# Allegro board HL_VPN_bf.brd (continued)
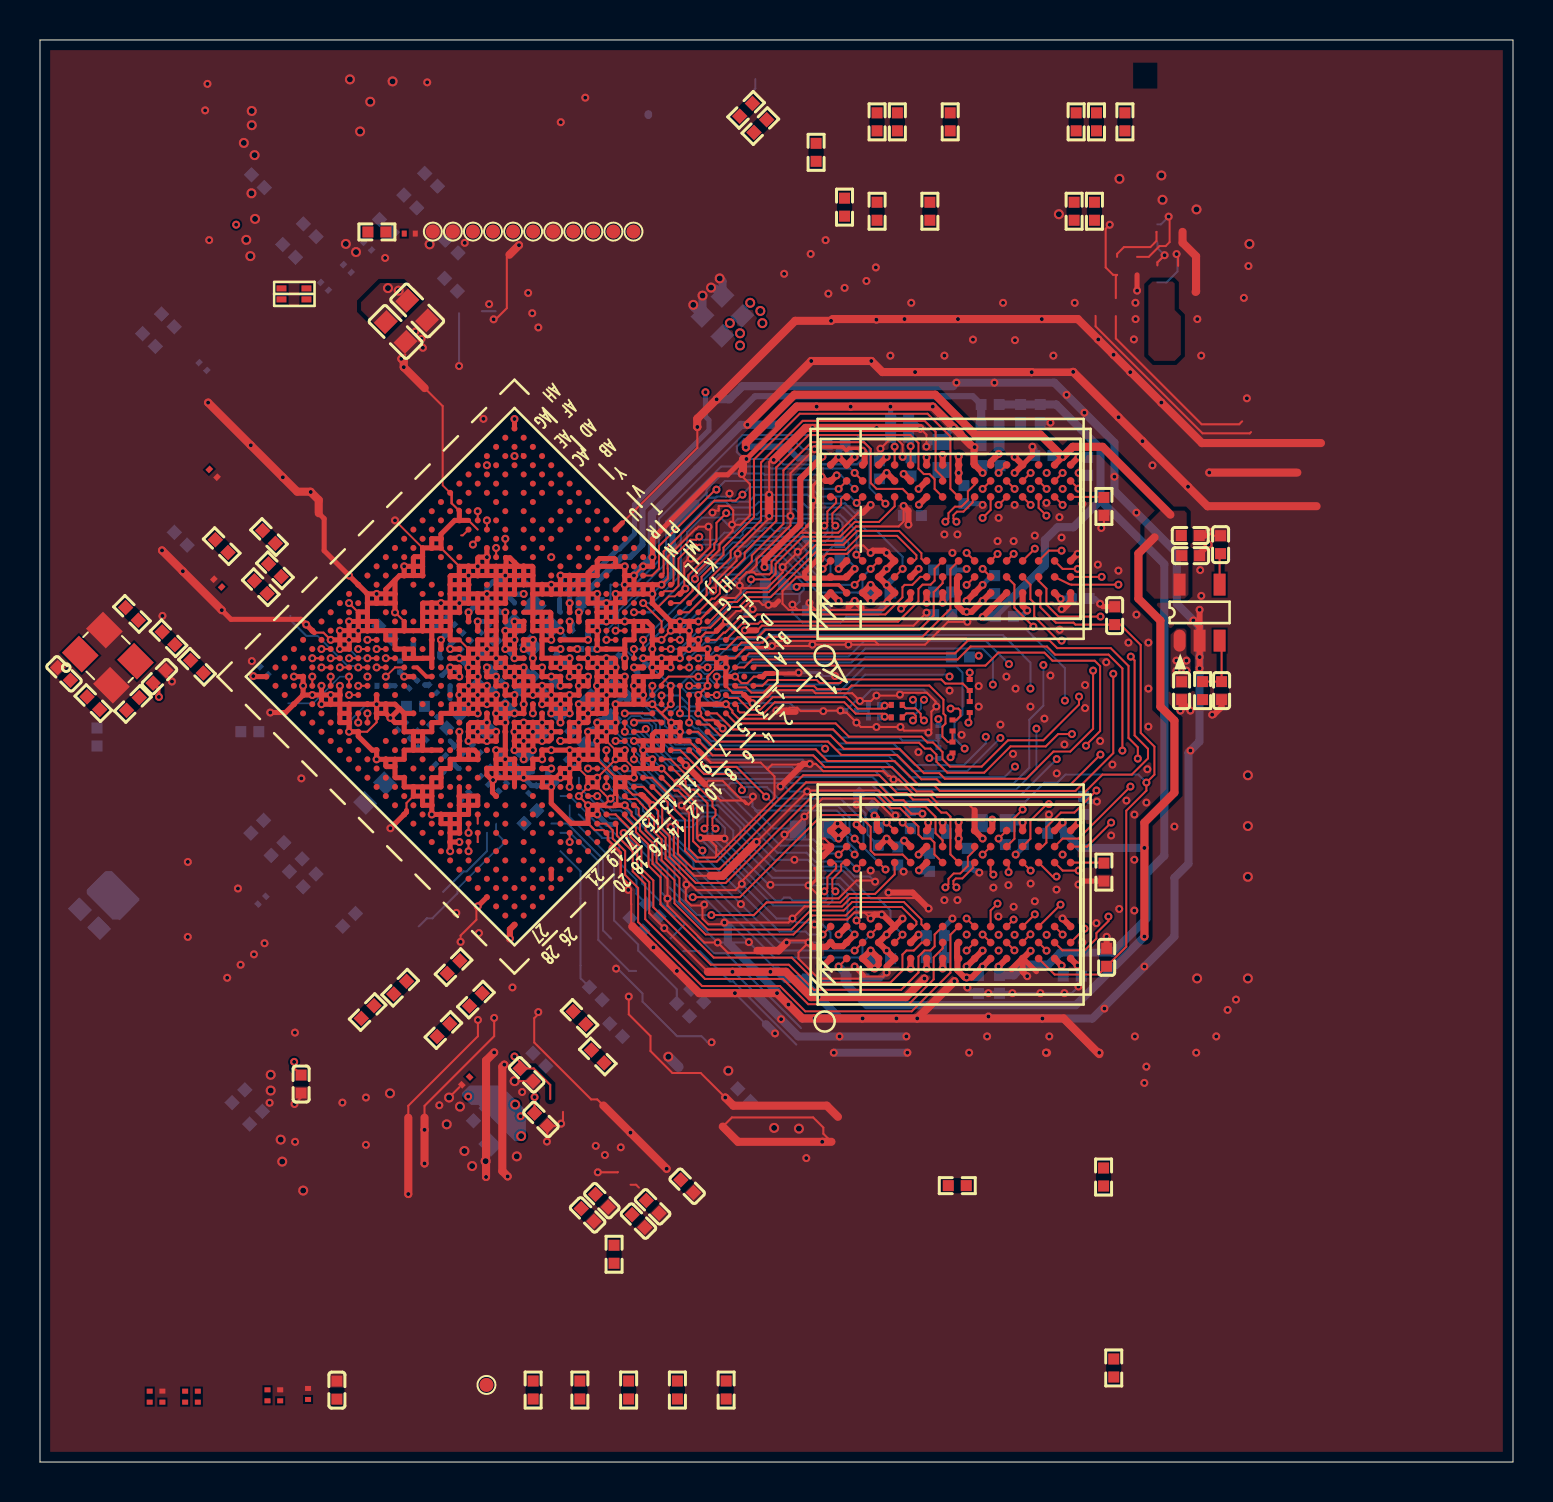
[diagram p0: board, top side]
## Routing (per net, layer and track width the routed paths; a pad name or vN(x,y) marks a point on that pad's centre or on a via; arc(x,y) is an arc through that point) (continued)
  TOP w0.097: U3301.K7 46.65,29.89 46.65,29.71 46.12,29.19 45.8,29.19 45.68,29.07 45.68,28.89 v1(45.83,28.74) ; v1(44.2,37.09) 44.04,37.25 44.04,37.42 43.77,37.69 43.29,37.69 R3303.2
  L4-S1 w0.097: v1(45.83,28.74) 45.68,28.89 45.68,29.49 43.85,31.31 43.85,32.21 43.33,32.73 43.33,32.93 43.41,33.01 43.6,33.01 43.83,33.24 43.83,33.57 43.6,33.8 43.41,33.8 43.33,33.88 43.33,34 43.41,34.09 43.6,34.09 43.83,34.32 43.83,34.65 43.6,34.88 43.28,34.88 42.97,35.19 42.97,35.77 43.14,35.94 43.72,35.94 44.05,36.28 44.05,36.93 v1(44.2,37.09)
DDR4_CS0N: length 11.9
  TOP w0.102: U1000.A2 36.12,38.82 36.41,39.11 38.84,39.11 38.99,38.96 40.01,38.96 40.19,39.14 45.07,39.14 45.28,38.93 46.15,38.93 R3308.2 R3309.1
DDR4_CS0N_A: length 10.1
  TOP w0.102: U3300.L7 47.54,47.62 v1(47.14,47.22) ; R3308.1 v1(46.49,39.48)
  L4-S1 w0.102: v1(46.49,39.48) 46.49,40.68 47.79,41.99 47.79,44.51 47.14,45.17 v1(47.14,47.22)
DDR4_CS0N_B: length 9.4
  TOP w0.102: v1(47.68,29.38) 47.54,29.52 U3301.L7 ; R3309.2 46.49,37.04 v1(46.43,36.98)
  L4-S1 w0.102: v1(46.43,36.98) 46.59,36.82 46.59,32.88 46.9,32.58 46.9,31.92 47.51,31.31 47.51,30.94 47.79,30.65 47.79,30.08 47.63,29.92 47.63,29.43 v1(47.68,29.38)
DDR4_DML_A: length 15.5
  TOP w0.089: v1(31.54,40.66) 31.54,40.66 U1000.H5
  TOP w0.102: v1(35.56,44.14) 36.51,44.14 36.79,44.42 36.79,44.92 38.15,46.27 40,46.27 40.74,47.01 41.95,47.01 42.74,47.8 U3300.E7
  BOTTOM w0.089: 33.09,41.62 32.97,41.62 32.53,41.19 32.53,41.19 32,40.66 v1(31.54,40.66)
  BOTTOM w0.102: 33.09,41.62 33.28,41.62 35.56,43.9 v1(35.56,44.14)
DDR4_DML_B: length 20.9
  TOP w0.102: v1(33.57,27.35) 35.7,27.35 36.33,27.99 40.02,27.99 40.44,28.41 41.76,28.41 42.74,29.39 U3301.E7
  BOTTOM w0.089: 27.84,32.88 27.83,32.88 27.54,33.17 27.54,33.17 26.95,33.77 26.95,34.22 26.95,34.22
  BOTTOM w0.102: 27.84,32.88 28.54,32.18 28.93,32.18 31.37,29.74 31.37,28.83 32.85,27.35 v1(33.57,27.35)
DDR4_DMU_A: length 20.6
  TOP w0.102: U3300.E2 v1(43.14,44.67) ; U1000.J4 31.08,42.04 v1(30.16,42.96)
  BOTTOM w0.102: v1(30.16,42.96) 30.63,42.96 32.04,44.37 32.04,46.47 33.59,48.02 34.29,48.02 34.58,47.73 35.66,47.73 35.95,48.02 38.09,48.02 38.37,47.74 40.17,47.74 41.33,46.58 41.83,46.58 43.14,45.27 v1(43.14,44.67)
DDR4_DMU_B: length 19.3
  TOP w0.102: U3301.E2 v1(43.13,26.38) ; U1000.D14 v1(29.24,34.68)
  BOTTOM w0.102: v1(29.24,34.68) 29.37,34.56 29.84,34.56 30.03,34.36 30.03,34.36 31.96,32.44 32.5,32.44 32.91,32.84 33.91,32.84 35.02,31.72 35.02,31.33 36.78,29.57 40.16,29.57 41.55,28.18 41.93,28.18 42.53,27.58 42.53,26.98 v1(43.13,26.38)
DDR4_DQL0_A: length 12.6
  TOP w0.102: U1000.F2 33.83,41.12 34.19,41.48 34.26,41.48 35.06,42.28 35.76,42.28 35.87,42.39 42.27,42.39 43.13,43.25 43.13,43.76 43.24,43.87 43.62,43.87 44.02,44.27 U3300.G2
DDR4_DQL0_B: length 21.5
  TOP w0.102: U3301.G2 44.1,25.98 43.7,25.58 43.33,25.58 43.13,25.38 43.13,24.58 42.52,23.97 38.85,23.97 37.59,25.23 33.69,25.23 31.03,27.89 31.03,29.23 30.43,29.83 30.43,30.87 29.8,31.5 29.8,31.72 29.24,32.27 U1000.A16
DDR4_DQL1_A: length 20.5
  TOP w0.102: v1(34.35,43.68) 34.35,43.68 34.35,43.81 35.59,45.05 35.59,45.34 37.18,46.92 37.18,49.6 38.58,51.01 41.2,51.01 41.54,50.66 41.54,48.96 41.84,48.67 43.14,48.67 U3300.F7 ; U1000.H4 v1(32,41.12)
  BOTTOM w0.089: v1(32,41.12) 32,41.12 32,41.58 32.34,41.91
  BOTTOM w0.102: 32.34,41.91 32.34,41.92 32.89,42.48 33.44,42.48 34.35,43.39 v1(34.35,43.68)
DDR4_DQL1_B: length 22.1
  TOP w0.102: v1(32.64,28.25) 35,28.25 39.11,32.36 40.95,32.36 41.54,31.77 41.54,30.58 41.74,30.38 43.14,30.38 U3301.F7 ; U1000.D17 v1(27.86,33.31)
  BOTTOM w0.102: v1(32.64,28.25) 32.46,28.25 31.73,28.98 31.73,29.89 29.04,32.58 28.59,32.58 v1(27.86,33.31)
DDR4_DQL2_A: length 13.2
  TOP w0.102: U1000.E1 35.11,41.92 35.91,41.92 36.02,42.03 42.91,42.03 43.93,43.05 43.93,43.67 44.14,43.88 44.54,43.88 44.74,44.08 44.74,44.67 U3300.H3
DDR4_DQL2_B: length 24.2
  TOP w0.102: U1000.B17 28.79,32.39 29.54,31.63 29.54,31.26 30.07,30.73 30.07,29.68 30.67,29.08 30.67,27.75 33.55,24.87 37.45,24.87 38.7,23.62 43.06,23.62 43.93,24.48 43.93,25.28 44.23,25.58 44.53,25.58 44.74,25.79 44.74,26.38 U3301.H3
DDR4_DQL3_A: length 20.3
  TOP w0.102: U1000.H1 32.92,42.51 33.59,43.18 33.74,43.18 34,43.44 34,43.96 35.24,45.2 35.24,45.49 36.82,47.07 36.82,49.75 38.43,51.36 43.53,51.36 43.93,50.96 43.93,49.68 44.2,49.41 44.48,49.41 44.74,49.15 44.74,48.67 U3300.H7
DDR4_DQL3_B: length 22.5
  TOP w0.102: 29.7,33.76 U1000.B14 30.17,33.76 31.11,32.82 31.11,31.68 31.48,31.31 31.48,30.27 32.79,28.96 34.29,28.96 38.71,33.38 41.86,33.38 42.55,32.7 43.01,32.7 43.93,31.78 43.93,31.38 44.13,31.18 44.53,31.18 44.73,30.98 44.73,30.39 U3301.H7
DDR4_DQL4_A: length 13.7
  TOP w0.102: U3300.H2 45.14,43.95 44.69,43.51 44.69,42.34 43.98,41.63 36.28,41.63 35.91,41.25 34.89,41.25 34.3,40.66 U1000.E2
DDR4_DQL4_B: length 24.1
  TOP w0.102: U3301.H2 45.14,25.69 44.69,25.24 44.69,24.14 43.45,22.9 38.42,22.9 37.15,24.16 33.26,24.16 30.26,27.15 30.26,28.92 29.64,29.54 29.64,30.54 28.85,31.32 28.85,31.86 U1000.A17
DDR4_DQL5_A: length 21.9
  TOP w0.102: U1000.J2 32.46,42.5 33.34,43.37 33.34,43.78 33.34,43.78 33.51,43.96 33.51,44.2 34.53,45.22 34.53,45.58 36.06,47.1 36.06,49.99 38.14,52.07 44.24,52.07 44.79,51.52 44.79,49.61 45.14,49.26 U3300.H8
DDR4_DQL5_B: length 21.2
  TOP w0.102: U1000.A13 31.39,32.99 31.39,32.48 31.9,31.98 31.9,30.43 32.66,29.67 33.99,29.67 38.31,33.99 41.82,33.99 42.71,33.1 43.18,33.1 43.51,32.78 44.27,32.78 44.78,32.27 44.78,31.45 45.14,31.1 U3301.H8
DDR4_DQL6_A: length 14.2
  TOP w0.089: U1000.D1 34.76,40.66
  TOP w0.102: U3300.J3 45.53,44.66 45.53,42.67 44.13,41.27 36.43,41.27 36.14,40.98 35.08,40.98 34.76,40.66
DDR4_DQL6_B: length 26.8
  TOP w0.102: U3301.J3 45.53,26.37 45.53,24.47 43.59,22.54 38.27,22.54 37,23.81 33.11,23.81 29.91,27 29.91,28.71 29.26,29.36 29.26,30.56 28.64,31.18 28.64,31.6 28.31,31.93 U1000.B18
DDR4_DQL7_A: length 23
  TOP w0.102: U1000.J1 32.94,43.43 32.94,43.88 33.08,44.03 33.08,44.27 34.18,45.37 34.18,45.73 35.7,47.26 35.7,50.14 37.99,52.43 44.38,52.43 45.53,51.28 45.53,48.68 U3300.J7
DDR4_DQL7_B: length 23.4
  TOP w0.102: U1000.B13 30.61,34.22 31.73,33.1 31.73,32.65 32.25,32.12 32.25,30.58 32.8,30.03 33.84,30.03 38.16,34.35 41.97,34.35 42.86,33.46 43.33,33.46 43.65,33.13 44.42,33.13 45.07,32.48 45.33,32.48 45.53,32.28 45.53,30.39 U3301.J7
DDR4_DQSL_N_A: length 13.8
  TOP w0.097: U1000.G2 33.07,41.73 33.52,41.73 34.56,42.76 34.95,42.76 35.45,43.25 36.54,43.25 38.91,45.62 40.28,45.62 40.97,46.32 42.86,46.32 43.83,45.35 43.83,45.18 43.72,45.07 U3300.F3
DDR4_DQSL_N_B: length 20.2
  TOP w0.097: U3301.F3 43.72,26.78 43.83,26.89 43.83,27.03 43.1,27.76 40.72,27.76 40.29,27.33 38.63,27.33 37.68,26.38 33.29,26.38 31.73,27.94 31.73,29.1 30.83,30 30.83,31.04 30.28,31.59 30.28,31.75 30.46,31.93 30.46,32.15 30.33,32.28 30.04,32.28 29.94,32.38 29.94,32.68 29.77,32.85 U1000.A15
DDR4_DQSL_P_A: length 13.6
  TOP w0.097: U1000.G1 33.48,42.04 34.45,43.01 34.85,43.01 35.34,43.5 36.44,43.5 38.8,45.87 40.17,45.87 40.87,46.57 42.96,46.57 44.08,45.46 44.08,45.18 44.18,45.07 U3300.G3
DDR4_DQSL_P_B: length 20.8
  TOP w0.097: U1000.B15 29.39,33.16 29.83,33.16 30.01,32.98 30.01,32.96 30.71,32.26 30.71,31.51 31.08,31.14 31.08,30.1 31.98,29.2 31.98,28.05 33.39,26.63 37.57,26.63 38.52,27.58 40.19,27.58 40.61,28.01 43.2,28.01 44.08,27.13 44.08,26.89 44.18,26.78 U3301.G3
DDR4_DQSU_N_A: length 12.7
  TOP w0.097: U1000.L1 31.63,43.88 31.68,43.92 31.68,44.65 31.68,45.28 32.52,46.13 32.82,46.13 v1(32.97,46.28) ; U3300.A7 39.72,48.27 39.81,48.17 39.81,47.98 39.37,47.54 39.37,46.98 v1(39.22,46.83)
  BOTTOM w0.097: v1(32.97,46.28) 33.12,46.13 33.88,46.13 34.23,46.48 34.74,46.48 35.22,46.97 38.24,46.97 38.93,46.28 39.18,46.28 39.37,46.48 39.37,46.68 v1(39.22,46.83)
DDR4_DQSU_N_B: length 15.2
  TOP w0.097: v1(39.22,28.54) 39.37,28.69 39.37,29.25 39.81,29.69 39.81,29.88 39.72,29.98 U3301.A7 ; v1(33.78,31.68) 33.63,31.83 33.63,32.19 33.78,32.34 33.78,32.62 33.63,32.77 33.63,33.05 31.54,35.14 31.24,35.14 ; 31.24,35.14 U1000.B11 31.24,35.14
  BOTTOM w0.097: v1(39.22,28.54) 39.37,28.39 39.37,28.18 39.28,28.08 37.64,28.08 37.49,28.23 37.21,28.23 37.05,28.08 36.78,28.08 33.63,31.23 33.63,31.53 v1(33.78,31.68)
DDR4_DQSU_P_A: length 14.1
  TOP w0.097: U1000.L2 31.22,43.55 31.66,43.55 31.93,43.82 31.93,44.65 31.93,45.18 32.63,45.88 32.82,45.88 v1(32.97,45.73) ; v1(39.77,46.83) 39.62,46.98 39.62,47.44 40.06,47.88 40.06,48.17 40.16,48.27 U3300.B7
  BOTTOM w0.097: v1(32.97,45.73) 33.12,45.88 33.98,45.88 34.33,46.23 34.99,46.23 35.14,46.38 35.14,46.53 35.33,46.72 35.67,46.72 35.83,46.56 36.11,46.56 36.26,46.72 36.54,46.72 36.69,46.56 36.97,46.56 37.12,46.72 37.4,46.72 37.55,46.56 37.85,46.56 38,46.72 38.14,46.72 38.82,46.03 39.28,46.03 39.62,46.38 39.62,46.68 v1(39.77,46.83)
DDR4_DQSU_P_B: length 14.8
  TOP w0.097: v1(39.77,28.54) 39.62,28.69 39.62,29.15 40.06,29.59 40.06,29.88 40.16,29.98 U3301.B7 ; v1(33.23,31.68) 33.38,31.83 33.38,32.95 32.7,33.63 32.48,33.63 32.29,33.83 32.29,34.04 31.64,34.68 U1000.A11
  BOTTOM w0.097: v1(39.77,28.54) 39.62,28.39 39.62,28.07 39.38,27.83 36.67,27.83 33.38,31.12 33.38,31.53 v1(33.23,31.68)
DDR4_DQU0_A: length 12.8
  TOP w0.102: U3300.A3 v1(39.14,44.67) ; U1000.L4 v1(29.7,42.5)
  BOTTOM w0.102: v1(39.14,44.67) 38.84,44.67 38.34,45.17 38.34,45.57 37.84,46.07 35.62,46.07 35.34,45.79 34.75,45.79 34.1,45.15 33.44,45.15 32.95,44.65 32.77,44.65 30.62,42.5 v1(29.7,42.5)
DDR4_DQU0_B: length 13
  TOP w0.102: U1000.A12 31.08,34.22 31.72,33.58 31.9,33.58 32.66,32.82 32.66,31.05 v1(33.12,30.58) ; U3301.A3 v1(39.14,26.38)
  BOTTOM w0.102: v1(39.14,26.38) 38.44,26.38 38.29,26.53 36.98,26.53 33.12,30.39 v1(33.12,30.58)
DDR4_DQU1_A: length 13.2
  TOP w0.102: U1000.N2 30.61,44.34 30.95,44.68 30.95,45.81 33.78,48.63 v1(33.83,48.63) ; U3300.B8 v1(39.94,48.67)
  BOTTOM w0.102: v1(39.94,48.67) 39.14,48.67 38.93,48.88 38.93,48.88 38.7,49.11 35.36,49.11 35.31,49.06 34.26,49.06 v1(33.83,48.63)
DDR4_DQU1_B: length 14.5
  TOP w0.102: U1000.E12 v1(28.78,36.06) ; U3301.B8 v1(39.94,30.38)
  BOTTOM w0.089: v1(28.78,36.06) 28.89,35.96 29.35,35.96 31.03,34.28
  BOTTOM w0.102: v1(39.94,30.38) 39.89,30.43 38.88,30.43 38.48,30.83 37.02,30.83 34.21,33.65 31.66,33.65 31.03,34.28
DDR4_DQU2_A: length 14.8
  TOP w0.102: U1000.K2 32.01,42.96 32.64,43.58 32.64,43.78 32.42,44 32.42,44.35 33.72,45.65 33.72,45.94 33.83,46.05 33.83,46.97 v1(34.32,47.46) ; U3300.C3 v1(40.83,45.38)
  BOTTOM w0.102: v1(40.83,45.38) 40.83,46.56 40,47.39 38.02,47.39 37.74,47.67 36.12,47.67 35.84,47.38 34.39,47.38 v1(34.32,47.46)
DDR4_DQU2_B: length 18.6
  TOP w0.102: v1(28.32,35.6) 28.32,35.6 U1000.E14 ; U3301.C3 v1(40.83,27.09)
  BOTTOM w0.102: v1(28.32,35.6) 28.33,35.6 28.33,35.09 29.54,33.88 30.06,33.88 30.95,32.98 30.95,32.93 31.81,32.08 32.65,32.08 33.06,32.49 33.76,32.49 34.67,31.58 34.67,31.18 36.63,29.22 40.01,29.22 40.83,28.4 v1(40.83,27.09)
DDR4_DQU3_A: length 13
  TOP w0.102: U3300.C7 v1(40.84,47.97) ; v1(35.13,48.38) 35.09,48.38 34.79,48.08 33.73,48.08 31.18,45.54 31.18,44.44 U1000.M1
  BOTTOM w0.102: v1(40.84,47.97) 40.53,48.28 39,48.28 38.53,48.75 35.48,48.75 35.13,48.4 v1(35.13,48.38)
DDR4_DQU3_B: length 14.3
  TOP w0.102: 29.7,35.6 U1000.D12 29.7,35.14 v1(29.7,35.14) ; U3301.C7 v1(40.84,29.68)
  BOTTOM w0.102: v1(40.84,29.68) 40.49,30.03 38.78,30.03 38.33,30.47 36.88,30.47 34.06,33.29 31.66,33.29 30.44,34.51 30.44,34.51 29.81,35.14 v1(29.7,35.14)
DDR4_DQU4_A: length 14.2
  TOP w0.102: U3300.C2 v1(40.74,43.87) ; U1000.J6 v1(30.16,41.12)
  BOTTOM w0.102: v1(40.74,43.87) 39.03,43.87 37.23,45.67 35.79,45.67 34.86,44.74 33.79,44.74 30.17,41.12 v1(30.16,41.12)
DDR4_DQU4_B: length 18.5
  TOP w0.102: U3301.C2 v1(40.74,25.58) ; U1000.E15 v1(27.4,34.68)
  BOTTOM w0.102: v1(40.74,25.58) 36.87,25.58 32.68,29.77 32.68,30.05 30.15,32.58 30.15,32.87 29.54,33.48 29.34,33.48 28.13,34.69 27.41,34.69 v1(27.4,34.68)
DDR4_DQU5_A: length 18.2
  TOP w0.102: U1000.L6 v1(28.78,41.58) ; U3300.C8 v1(40.74,49.47)
  BOTTOM w0.089: 28.92,42.57 28.92,41.71 v1(28.78,41.58)
  BOTTOM w0.102: 28.92,42.57 31.31,44.96 31.31,47.03 34.06,49.79 36.4,49.79 36.5,49.69 39.63,49.69 39.63,49.7 40.51,49.7 v1(40.74,49.47)
DDR4_DQU5_B: length 11.1
  TOP w0.089: U1000.A9 32.46,35.6
  TOP w0.102: U1000.A9 32.46,35.6 33.3,34.76 34.83,34.76 36.31,33.28 v1(36.31,33.28) ; U3301.C8 v1(40.74,31.18)
  BOTTOM w0.102: v1(40.74,31.18) 40.48,31.44 40.48,32.23 39.89,32.82 36.79,32.82 36.73,32.88 36.71,32.88 36.31,33.28 v1(36.31,33.28)
DDR4_DQU6_A: length 16.4
  TOP w0.102: U3300.D3 v1(41.54,44.67) ; U1000.J7 v1(29.7,40.66)
  BOTTOM w0.089: 30.66,41.17 30.66,41.16 30.16,40.66 29.7,40.66 v1(29.7,40.66)
  BOTTOM w0.102: v1(41.54,44.67) 41.13,44.26 41.13,43.68 40.93,43.48 38.91,43.48 37.08,45.31 35.94,45.31 35.01,44.38 33.94,44.38 31.94,42.38 31.88,42.38 30.66,41.17
DDR4_DQU6_B: length 19
  TOP w0.102: U1000.D15 v1(28.32,33.78) ; U3301.D3 v1(41.54,26.38)
  BOTTOM w0.102: v1(28.32,33.78) 28.44,33.78 29.04,33.18 29.38,33.18 29.8,32.76 29.8,32.43 32.32,29.9 32.32,29.63 36.72,25.22 40.97,25.22 41.13,25.38 41.13,25.97 v1(41.54,26.38)
DDR4_DQU7_A: length 23.7
  TOP w0.102: U3300.D7 v1(42.28,47.93) ; U1000.L7 v1(28.33,41.12)
  BOTTOM w0.089: 28.78,42.91 28.65,42.78 28.65,41.9 28.46,41.71 28.46,41.71 28.33,41.58 v1(28.33,41.12)
  BOTTOM w0.102: v1(42.28,47.93) 41.49,48.72 41.49,50.72 40.84,51.36 35.14,51.36 30.95,47.18 30.95,45.08 28.78,42.91
DDR4_DQU7_B: length 14.7
  TOP w0.102: U1000.B10 32.01,35.6 33.21,34.41 34.5,34.41 35.1,33.81 v1(35.1,33.61) ; v1(42.28,29.63) U3301.D7
  BOTTOM w0.102: v1(35.1,33.61) 35.25,33.75 36.35,33.75 36.92,33.18 40.04,33.18 41.19,32.03 41.19,30.73 v1(42.28,29.63)
DDR4_ODT0: length 15.8
  TOP w0.102: U1000.E8 v1(31.08,38.34)
  BOTTOM w0.102: v1(31.08,38.34) 31.97,38.34 32.52,37.78 33.05,37.78 33.75,37.08 34.23,37.08 34.65,36.66 39.65,36.66 40.07,36.24 42.97,36.24 43.13,36.08 44.92,36.08 ; R3311.1 44.92,36.08 ; 44.92,36.08 R3310.2
DDR4_ODT0_A: length 10.1
  TOP w0.102: U3300.K3 v1(46.34,45.47)
  L4-S1 w0.102: v1(44.93,37.16) 45.18,37.41 45.18,37.93 44.83,38.28 44.83,39.57 45.02,39.76 45.02,42.09 45.53,42.59 45.53,44.66 v1(46.34,45.47)
  BOTTOM w0.102: R3310.1 44.92,37.15 v1(44.93,37.16)
DDR4_ODT0_B: length 9.9
  TOP w0.102: U3301.K3 v1(46.34,27.18)
  L4-S1 w0.102: v1(44.47,35.21) 44.5,35.18 44.63,35.18 44.79,35.02 44.79,31.22 46.12,29.89 46.12,29.19 46.34,28.97 v1(46.34,27.18)
  BOTTOM w0.102: R3311.2 44.5,35.18 v1(44.47,35.21)
DDR4_RESETN: length 56.5
  TOP w0.102: U3300.P1 50.02,43.38 50.02,42.75 50.8,41.98 51.68,41.98 51.78,41.88 C3302.1 54.03,41.88 55.04,40.86 55.04,36.47 55.73,35.78 55.73,34.38 v1(55.33,33.98) 55.33,33.58 54.32,32.57 54.32,25.77 C3301.1 52.93,24.38 50.74,24.38 U3301.P1 ; U1000.F11 v1(29.24,36.52)
  BOTTOM w0.089: v1(29.24,36.52) 29.37,36.39 29.83,36.39 30.17,36.06 30.17,36.05 31.66,34.56 32.12,34.56
  BOTTOM w0.102: v1(55.33,33.98) 54.93,34.38 51.28,34.38 50.88,33.98 50.23,33.98 49.27,33.03 42.43,33.03 41.51,33.95 37.56,33.95 37.35,34.16 32.52,34.16 32.12,34.56
DDR_RZQ: length 0.8
  TOP w0.305: U1000.H7 v1(29.7,39.74)
  BOTTOM w0.254: v1(29.7,39.74) 29.86,39.58 R1100.1
DDRPHY_VREFOUT: length 27.7
  TOP w0.254: U1000.P8 v1(26.95,42.5)
  BOTTOM w0.305: R3322.2 46.65,53.3 35.75,53.3 30.13,47.68 30.13,45.88 29.51,45.26 29.08,45.26 27.06,43.24 C3304.1 27.06,42.61 v1(26.95,42.5)
  BOTTOM w0.406: C3303.2 R3322.2
DVP_PWREN0_H_GPIO0_B0: length 0.5
  TOP w0.102: U1000.AD23 v1(15,39.74)
HDMIRX_PWREN_H_GPIO0_D6: length 4
  TOP w0.102: U1000.AC24 v1(15.45,39.28)
  BOTTOM w0.089: v1(15.45,39.28) 14.99,39.28 13.66,37.95 12.42,37.95
HDMIRX_RST_L_GPIO4_D2: length 0.5
  TOP w0.102: U1000.AB9 v1(22.81,45.72)
I2C0_SCL_PMIC: length 0.5
  TOP w0.102: U1000.AF24 v1(13.62,40.2)
I2C0_SDA_PMIC: length 0.5
  TOP w0.102: U1000.AB21 v1(16.83,39.74)
I2C1_SDA_TP: length 0.5
  TOP w0.102: U1000.AB20 v1(17.29,40.2)
I2S1_SCLK_TX_M0_SOC: length 12.1
  BOTTOM w0.089: 26.49,32.85 26.49,32.26 28.71,30.03 28.71,29.85
  BOTTOM w0.102: 28.71,29.85 28.71,27.09 29.91,25.88 29.91,25.58 31.84,23.65 R1903.1
LCD0_BL_PWM4: length 0.5
  TOP w0.102: v1(14.54,40.2) U1000.AE23
LCD1_BL_PWM5: length 0.5
  TOP w0.102: v1(15.91,40.66) 15.91,40.66 U1000.AD21
LCD1_PWREN_H_GPIO0_C5: length 1.8
  TOP w0.102: U1000.AC21 v1(16.37,40.2)
  BOTTOM w0.089: v1(16.37,40.2) 15.91,40.2 15.32,40.79
MIPI_AVDD_0V9: length 21.6
  TOP w0.254: U1000.W16 v1(20.51,40.66) ; U1000.W14 v1(21.89,42.04)
  L3-POWER w0.2: 17.77,46.27 18.89,45.14 18.89,44.45 19.58,43.77 19.58,42.76 20.51,41.83 v1(20.51,40.66)
  L3-POWER w0.508: 17.77,46.27 17.25,46.27 16.07,47.45 16.07,49.23 12.22,53.07 9.78,53.07 9.07,53.79
  BOTTOM w0.254: C1701.1 20.51,40.87 v1(20.51,40.66) ; C1601.1 22.27,42.04 v1(21.89,42.04)
MIPI_AVDD_1V8: length 16.7
  TOP w0.254: U1000.Y14 v1(21.43,42.5) ; 20.05,40.66 v1(20.05,41.12)
  L3-POWER w0.2: v1(20.05,41.12) 20.05,41.75 19.28,42.53 19.28,43.64 18.59,44.33 18.59,44.95 17.92,45.63 17.76,45.63
  L3-POWER w0.508: 17.76,45.63 17,45.63 15.46,47.17 15.46,48.92 12.11,52.27
  BOTTOM w0.254: C1600.1 21.68,42.75 v1(21.43,42.5) ; v1(20.05,41.12) 20.27,41.34 C1700.1
MIPI_CSI_RX_D3N: length 0.5
  TOP w0.097: 21.06,46.35 21.14,46.35 U1000.AE9
MIPI_CSI_RX_D3P: length 0.4
  TOP w0.097: U1000.AD9 21.65,45.93 v1(21.65,45.88)
Net_2: length 18
  L3-POWER w0.356: 19.13,37.44 19.59,37.9 19.59,37.9
  L3-POWER w0.406: 19.13,37.44 19.11,37.47 18.47,37.47 16.35,35.34 14.9,35.34 14.81,35.44
  L3-POWER w1.016: 4.66,38.46 5.73,37.39 10.33,37.39 11.19,38.26 11.84,38.26 11.92,38.18 12.07,38.18 14.81,35.44
PCIE30_REFCLKN_IN: length 0.5
  TOP w0.097: U1000.AA25 v1(15.91,36.98)
PCIE30_REFCLKP_IN: length 0.5
  TOP w0.097: U1000.Y25 v1(16.37,37.44)
PCIE30X1_PERSTN_M1: length 0.5
  TOP w0.102: U1000.AB8 v1(23.27,46.17)
PCIE_PWREN_H_GPIO0_D4: length 0.5
  TOP w0.102: U1000.AB23 v1(15.91,38.82)
PDM_CLK0_M0_SOC: length 0.5
  TOP w0.102: U1000.C20 v1(26.49,31.01)
RTCIC_INT_L_GPIO0_D3: length 0.5
  TOP w0.102: U1000.AE26 v1(13.62,39.28)
SARADC_VIN0_KEY/RECOVERY: length 3.3
  TOP w0.102: v1(23.73,20.28) 24.02,19.99 C1501.1 24.69,19.68 25.52,18.86 25.52,18.15
SARADC_VIN1_HW_ID: length 0.8
  TOP w0.102: v1(24.73,18.25) C1502.1
SATA0_ACT_LED: length 0.5
  TOP w0.102: U1000.AE8 v1(21.89,47.55)
SATA1_ACT_LED: length 0.5
  TOP w0.102: U1000.AD8 22.35,47.09 v1(22.35,47.09)
SDMMC0_D0: length 0.5
  TOP w0.102: v1(21.43,31.47) 21.43,31.47 U1000.J25
SDMMC0_D1: length 0.5
  TOP w0.102: 21.89,31.93 U1000.J24
SDMMC0_D2/ARMJTAG_TCK: length 7.9
  TOP w0.102: U1000.H26 v1(21.43,30.55)
  BOTTOM w0.102: R1302.1 27.03,24.19 27.03,24.84 27.03,28.17 27.03,29.54 26.03,30.55
TP_INT_L_GPIO0_B5: length 5
  TOP w0.102: U1000.AC22 v1(15.91,39.74)
  BOTTOM w0.089: v1(15.91,39.74) 15.83,39.82 15.38,39.82 13.87,41.33
  BOTTOM w0.102: 13.87,41.33 13.31,41.33 12.52,42.11 12.52,42.32
TP_RST_L_GPIO0_B6: length 1.1
  TOP w0.089: 17.75,39.74 v1(17.29,39.28)
  TOP w0.102: U1000.AA20 17.75,39.74
UART2_RX_M0_DEBUG: length 0.5
  TOP w0.102: U1000.AC20 17.29,40.66 v1(16.83,40.66)
UART4_TX_M1: length 0.1
  TOP w0.102: 24.1,50.39 U1000.AF2
USB2_HOST2_DP: length 0
USB3_OTG0_VBUSDET: length 0.8
  TOP w0.102: v1(12.71,20.01) 12.71,19.7 C1400.1
USB_AVDD_0V9: length 14.6
  TOP w0.254: U1000.R8 v1(26.49,42.96)
  BOTTOM w0.254: v1(33.28,53.5) 33.28,52.28 33.45,52.11 33.45,51.61 29.73,47.88 29.73,46.41 28.98,45.66 28.91,45.66 27.33,44.08 26.92,44.08 C1406.1 26.49,43.57 v1(26.49,42.96) ; 20.51,36.06 20.73,35.84 C1403.1
USB_AVDD_1V8: length 0.9
  TOP w0.254: U1000.P9 v1(26.49,42.04)
  BOTTOM w0.254: C1405.1 26.61,41.91 v1(26.49,42.04)
USB_HOST_PWREN_H_GPIO0_A6: length 0.5
  TOP w0.102: U1000.AE24 v1(14.08,39.74)
VGA_HPDIN_GPIO0_C0: length 0.5
  TOP w0.102: U1000.AD22 v1(15.45,40.2)
VGA_PWREN_H_GPIO0_D5: length 0.5
  TOP w0.102: U1000.AD25 v1(14.54,39.28)
VREF_DDR4_CA: length 51.5
  TOP w0.3: U3300.M1 47.14,42.27 v1(47.14,42.26) ; v1(47.93,24.78) U3301.M1
  BOTTOM w0.406: v1(47.14,42.26) 47.76,42.26 C3306.1 47.78,42.36 50.25,44.84 50.25,46.12 50.89,46.75 51.68,46.75 53.03,48.1 ; 53.03,48.1 56.22,44.91 56.22,30.32 55.33,29.43 55.33,27.17 53.64,25.48 51.02,25.48 50.43,24.88 49.23,24.88 48.69,24.34 C3305.1 47.93,24.39 v1(47.93,24.78) ; 53.03,48.1 53.03,50.68 50.82,52.89 R3323.1 R3321.2 R3322.1
WIFI_PWREN_L_GPIO0_C1: length 0.5
  TOP w0.102: v1(14.08,40.66) 14.08,40.66 U1000.AF23
XIN24M: length 0.8
  TOP w0.152: v1(5.95,38.26) 5.95,38.67 C1202.1
N05451: length 3
  TOP w0.102: R3325.2 C3329.1 59.09,40.98 U3302.3
N05479: length 1.6
  TOP w0.102: C3330.1 58.99,45.38 U3302.4
N09455: length 1.4
  TOP w0.102: v1(43.54,50.81) U3300.F9
  BOTTOM w0.102: R3313.1 43.54,51.15 v1(43.54,50.81)
N09471: length 1.1
  TOP w0.102: U3301.F9 v1(43.14,31.98)
  BOTTOM w0.102: v1(43.14,31.98) 43.21,31.98 R3312.1
N16788127: length 1.2
  BOTTOM w0.102: 41.43,37.56 R3301.2 ; 41.43,37.56 C3300.1 ; 41.43,37.56 R3300.2
N16851460: length 1.7
  TOP w0.102: U3300.T7 53.18,48.27 R3315.1
N16851478: length 1.5
  TOP w0.102: U3300.E9 v1(42.74,50.78)
  BOTTOM w0.102: R3317.1 42.74,51.05 v1(42.74,50.78)
N16851904: length 1.7
  TOP w0.102: U3301.T7 53.18,29.98 R3314.1
N16851922: length 1.1
  TOP w0.102: U3301.E9 v1(42.34,31.98)
  BOTTOM w0.102: v1(42.34,31.98) 42.1,31.74 R3316.1

## Copper pours and planes (outline as drawn; the poured copper is in the pictures)
GND on TOP: 0.51,0.51 0.51,70.61 73.15,70.61 73.15,0.51 ; 1 cut-out
GND on BOTTOM, L2-GND1, L4-S1, L5-GND2: 0.51,0.51 0.51,70.61 73.15,70.61 73.15,0.51
VCC3V3_SYS on TOP: 57.54,38.78 57.54,39.78 57.53,39.79 57.53,40.18 57.33,40.38 57.33,41.58 57.23,41.68 56.84,41.68 56.54,41.38 56.54,38.78 56.64,38.68 57.44,38.68
VCC25_DDR on TOP: 55.73,43.18 55.33,43.58 55.33,45.88 55.23,45.98 55.23,46.78 56.03,47.58 57.23,47.58 57.34,47.47 57.34,45.98 57.33,45.97 57.33,45.68 57.43,45.58 57.43,43.38 57.23,43.18
VCC_DDR on BOTTOM: 46.29,43 46.29,42.98 45.63,42.98 45.23,42.58 45.23,42.08 45.33,41.98 45.93,41.98 46.29,42.34 46.29,42.29 46.32,42.27 46.53,42.48 46.83,42.48 47.03,42.68 47.83,42.68 48.03,42.88 48.03,43.18 48.13,43.28 48.13,43.58 47.93,43.78 47.53,43.78 47.23,43.48 46.77,43.48
VCC_DDR on BOTTOM: 51.96,32.68 51.69,32.41 51.69,31.7 51.9,31.49 52.61,31.49 52.61,31.5 52.73,31.5 52.83,31.6 52.83,32.58 52.73,32.68
VCC_DDR on BOTTOM: 41.26,25.68 40.99,25.41 40.99,24.7 41.2,24.49 41.91,24.49 41.91,24.5 42.03,24.5 42.13,24.6 42.13,25.58 42.03,25.68
VCC_DDR on BOTTOM: 44.16,32.18 43.89,31.91 43.89,31.2 44.1,30.99 44.81,30.99 44.81,31 44.93,31 45.03,31.1 45.03,32.08 44.93,32.18
VCC_DDR on BOTTOM: 41.26,43.97 40.99,43.7 40.99,42.99 41.2,42.78 41.91,42.78 41.91,42.78 42.03,42.78 42.13,42.88 42.13,43.87 42.03,43.97
VCC_DDR on BOTTOM: 43.59,44.8 43.59,43.41 44.23,42.77 44.53,42.77 44.63,42.87 44.63,42.88 45.03,43.28 45.03,44.88 44.93,44.98 43.77,44.98
VCC_DDR on BOTTOM: 43.74,26.67 43.59,26.51 43.59,25.12 44.23,24.48 44.53,24.48 44.63,24.58 44.63,26.58 44.54,26.67
VCC_DDR on BOTTOM: 44.06,29.98 43.79,29.71 43.79,29 44,28.79 44.71,28.79 44.71,28.8 44.83,28.8 44.93,28.9 44.93,29.88 44.83,29.98
VCC_DDR on BOTTOM: 47.59,50.49 47.8,50.28 48.51,50.28 48.51,50.28 48.63,50.28 49.43,51.08 49.43,52.18 49.33,52.28 47.73,52.28 47.59,52.14
VCC_DDR on BOTTOM: 39.16,32.18 38.89,31.91 38.89,31.2 39.1,30.99 39.81,30.99 39.81,31 39.93,31 40.03,31.1 40.03,32.08 39.93,32.18
VCC_DDR on BOTTOM: 43.73,47.98 44.23,48.48 44.23,48.78 44.13,48.88 43.33,48.88 42.53,49.68 41.73,49.68 41.63,49.78 41.63,50.38 41.83,50.58 42.53,50.58 43.13,49.98 43.13,49.68 43.23,49.58 43.93,49.58 44.03,49.68 44.03,50.28 44.23,50.48 44.53,50.48 44.93,50.08 45.44,50.08 45.83,50.47 46.13,50.47 46.53,50.07 46.53,48.58 46.43,48.48 45.83,48.48 44.33,46.98 43.83,46.98 43.73,47.08
VCC_DDR on BOTTOM: 46.56,24.98 46.29,24.71 46.29,24 46.5,23.79 47.21,23.79 47.21,23.8 47.33,23.8 47.43,23.9 47.43,24.88 47.33,24.98
VCC_DDR on BOTTOM: 42.66,31.48 42.39,31.21 42.39,30.62 42.53,30.48 43.43,30.48 43.53,30.58 43.53,31.38 43.43,31.48
VCC_DDR on BOTTOM: 26.25,35.88 29.39,39.01 29.39,39.55 28.55,40.38 27.53,40.38 27.43,40.48 27.26,40.48 27.14,40.36 27.14,40.18 27.86,39.46 27.86,39.28 26.87,38.29 26.87,37.39 25.83,36.35 25.83,35.98 25.93,35.88
VCC_DDR on BOTTOM: 50.66,24.98 50.39,24.71 50.39,24 50.6,23.79 51.31,23.79 51.31,23.8 51.43,23.8 51.53,23.9 51.53,24.88 51.43,24.98
VCC_DDR on BOTTOM: 41.46,33.18 41.19,32.91 41.19,32.2 41.4,31.99 42.11,31.99 42.11,32 42.23,32 42.33,32.1 42.33,33.08 42.23,33.18
VCC_DDR on BOTTOM: 45.69,32.11 45.69,30.72 46.03,30.38 46.63,30.38 46.83,30.58 46.83,31.38 46.93,31.48 47.43,31.48 47.83,31.88 47.83,32.28 47.63,32.48 46.06,32.48
VCC_DDR on BOTTOM: 40.13,43.14 39.86,43.41 39.15,43.41 38.94,43.19 38.94,42.49 38.94,42.48 38.94,42.37 39.04,42.27 40.03,42.27 40.13,42.37
VCC_DDR on L3-POWER: 38.08,52.36 27.54,41.82 27.54,40.61 27.66,40.49 27.66,40.04 27.54,39.92 27.54,39.15 26.52,38.14 26.52,37.38 26.14,36.99 26.14,36.36 26.03,36.25 26.03,34.47 27.41,33.08 28.06,32.43 28.06,32.03 28.81,31.28 28.81,30.01 29.7,29.12 29.7,24.67 31.77,22.59 37.15,22.59 38.04,21.69 52.42,21.69 57.13,26.4 58.84,28.1 58.84,43.02 60.88,45.06 60.88,70.19 38.08,70.19
VDD_CPU on BOTTOM (solid shape): 24.3,17.58 24.3,16.18 24.17,16.05 23.73,16.05 21.92,17.87 21.55,17.87 21.11,18.3 21.11,18.47 21.47,18.83 23.05,18.83
